# Altium PCB GSHT_V1.4_PCB.PcbDoc (part 2 of 2) (continued)
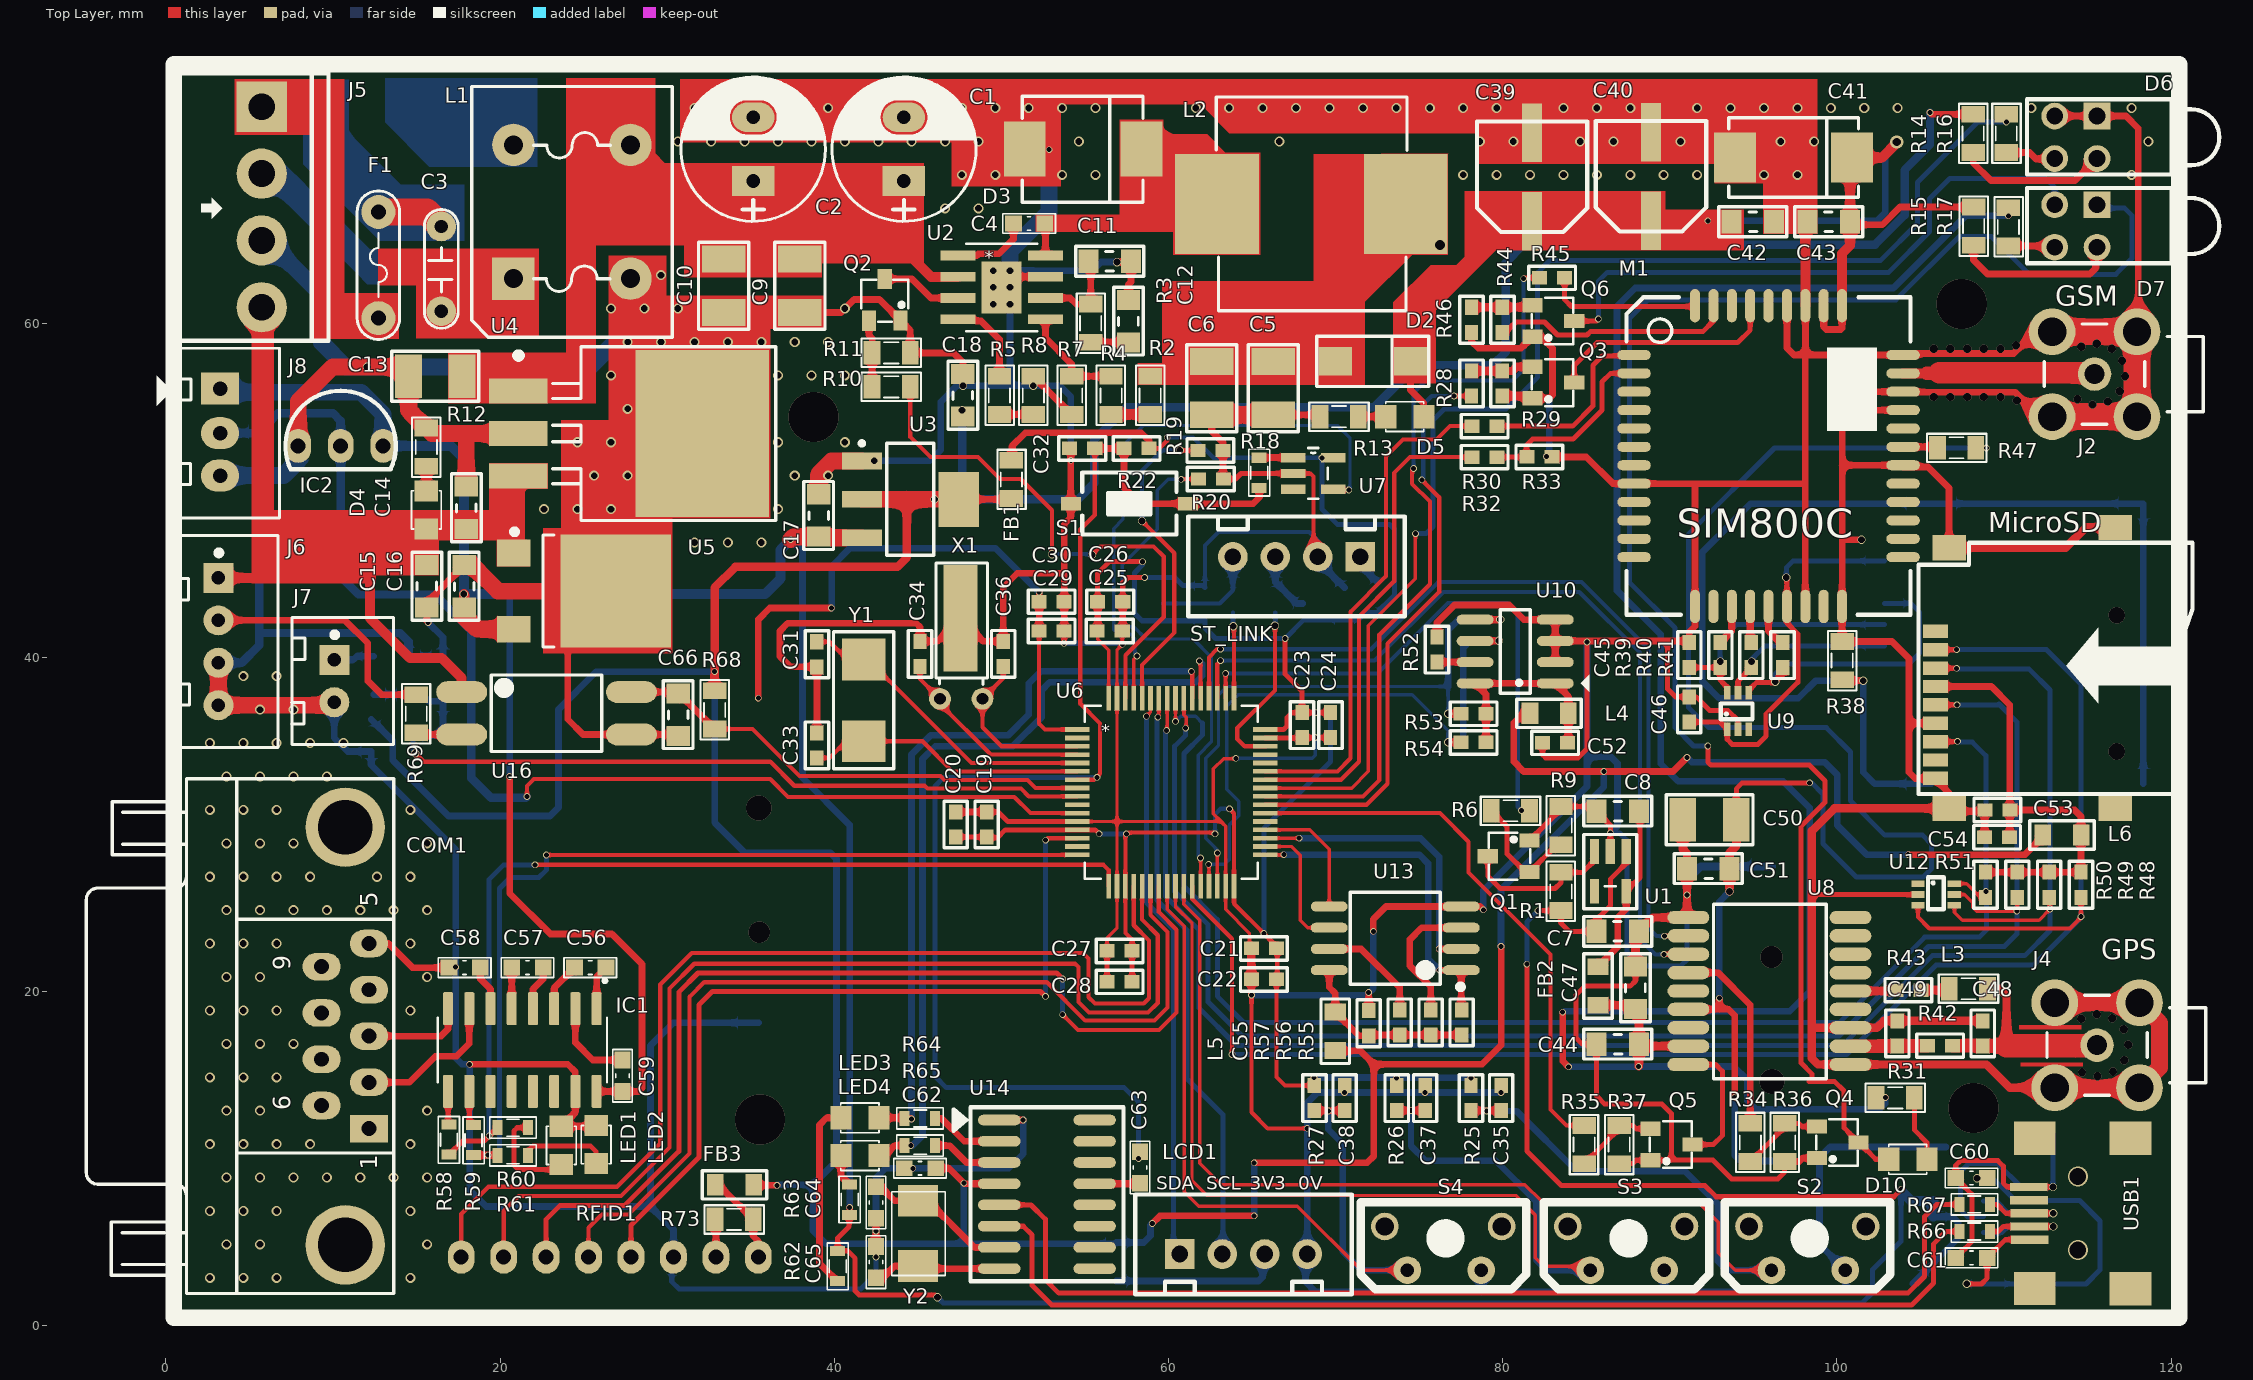
[diagram p0: Top Layer view]
## Nets (pads, with @x,y where several pads share a name; then routed paths per layer and width w, separated by ;. In a path a pad name is that pad's centre, name@x,y a point inside that pad or via, vN(x,y) a via of type N, cw(c..) or ccw(c..) an arc to the next point about the centre after c; other vN are vias at no path point) (continued)
  Bottom Layer w0.2: v2(60.757,50.648) 59.995,50.648 59.334,49.987 59.334,47.65 57.226,45.542 57.226,42.139 57.534,41.831 57.922,41.831 58.656,41.097 61.493,41.097 62.574,40.016 62.574,34.942 61.781,34.148 61.781,28.133 v2(61.923,27.991)
MCU_RESET: C32.1 C63.2 R18.2 R22.1 S1.1 U6.7 | length 78.7
  Top Layer w0.25: U6.7@54.546,32.678 55.55,32.678 v2@55.689,32.817 ; C32.1@55.589,52.502 55.589,48.512 54.721,47.645 54.721,37.227 55.905,36.043 55.905,33.033 v2@55.689,32.817 ; v2(55.728,32.817) v2@55.689,32.817
  Top Layer w0.4: C32.1@55.589,52.502 R22.1@57.341,52.502 57.341,50.152 58.293,49.2 S1.1@61.158,49.2 65.075,49.2 65.431,49.556 R18.2@65.431,50.127
  Bottom Layer w0.3: v2(55.728,32.817) 46.558,32.817 46.025,32.283 46.025,14.935 46.711,14.249 57.353,14.249 58.217,13.386 v2(58.217,10.008) v2@58.217,9.957
MCU_TCK: R24.2 U6.49 | length 5.2
  Top Layer w0.25: v3(63.881,41.859) 63.923,41.859 U6.49@63.923,37.554
  Bottom Layer w0.25: R24.2@63.855,42.685 63.855,41.885 v3(63.881,41.859)
MCU_TMS: R23.2 U6.46 | length 10.4
  Top Layer w0.25: U6.46@65.799,34.678 64.56,34.678 64.117,35.121 64.117,35.77 66.37,38.024 v3(66.37,41.885)
  Bottom Layer w0.25: v3(66.37,41.885) 66.395,41.91 R23.2@66.395,42.685
MCU_WDI: U6.61 U7.4 | length 34.9
  Top Layer w0.2: U6.61@57.923,37.554 57.923,39.889 v2(58.115,40.081) ; U7.4@69.85,50.053 69.891,50.013 v2(70.79,50.013)
  Bottom Layer w0.2: v2(58.115,40.081) 57.988,40.208 57.988,41.123 57.734,41.377 56.998,41.377 56.718,41.656 56.718,47.701 57.277,48.26 57.277,52.654 58.496,53.873 70.104,53.873 70.866,53.111 70.866,50.089 v2(70.79,50.013)
NetC3_2: C3.2 D1.1 F1.2 | length 10.4
  Top Layer w1.6: F1.2@12.725,66.65 15.621,66.65 C3.2@16.485,65.786
  Bottom Layer w1.6: D1.1@9.518,71.653 12.725,68.446 F1.2@12.725,66.65
NetC4_1: C4.1 U2.1 | length 4.7
  Top Layer w0.4: U2.1@47.404,64.043 48.534,64.043 48.633,64.142 49.842,64.142 50.724,65.024 C4.1@50.724,65.964
NetC4_2: C4.2 D3.2 L2.1 U2.8 | length 19.3
  Top Layer w0.4: C4.2@52.603,65.964 C4.2@52.73,65.964 ; U2.8@52.637,64.043 52.637,65.87 C4.2@52.73,65.964 ; D3.2@58.395,70.409 58.395,67.513 56.845,65.964 C4.2@52.73,65.964
  Top Layer w1.6: D3.2@58.395,70.409 62.027,70.409 63.032,69.404 L2.1@63.032,66.472
NetC11_2: C11.2 R3.2 U2.6 | length 5.5
  Top Layer w0.4: U2.6@52.637,61.503 54.118,61.503 54.483,61.138 R3.2@55.347,61.138 55.347,63.576 C11.2@55.22,63.703
NetC12_2: C12.2 R3.1 | length 2.3
  Top Layer w0.4: R3.1@55.347,58.852 C12.2@57.607,58.852
NetC48_2: C48.2 J4.1 L3.1 R42.1 | length 13
  Top Layer w0.5: L3.1@109.017,20.168 109.728,20.168 110.148,19.748 110.148,16.751
  Top Layer w0.8: R42.1@106.921,16.764 108.714,16.764 C48.2@108.727,16.751 109.576,16.751
  Top Layer w1: 109.576,16.751 110.148,16.751
  Top Layer w1.4: 110.148,16.751 115.531,16.751 J4.1@115.57,16.789
NetC49_2: C49.2 R42.2 U8.11 | length 4.6
  Top Layer w0.8: U8.11@100.813,16.733 103.601,16.733 C49.2@103.618,16.751 105.408,16.751 R42.2@105.421,16.764
NetC56_1: C56.1 IC1.1 | length 2.7
  Top Layer w0.4: IC1.1@25.781,18.974 25.781,20.872 C56.1@26.34,21.431
NetC56_2: C56.2 IC1.3 | length 3
  Top Layer w0.4: IC1.3@23.241,18.974 23.241,20.212 C56.2@24.46,21.431
NetC57_1: C57.1 IC1.5 | length 2.5
  Top Layer w0.4: IC1.5@20.701,18.974 C57.1@20.701,21.431
NetC57_2: C57.2 IC1.4 | length 2.7
  Top Layer w0.4: IC1.4@21.971,18.974 21.971,20.142 22.581,20.752 C57.2@22.581,21.431
NetC58_1: C58.1 IC1.6 | length 2.7
  Top Layer w0.4: C58.1@18.821,21.431 18.821,20.752 19.431,20.142 IC1.6@19.431,18.974
NetC59_1: C59.1 IC1.2 | length 5.3
  Top Layer w0.4: IC1.2@24.511,18.974 24.511,16.942 25.552,15.9 C59.1@27.33,15.9
NetC63_1: C63.1 U14.13 | length 2.7
  Top Layer w0.4: U14.13@55.585,8.502 58.261,8.502 C63.1@58.293,8.534
NetC64_1: C64.1 U14.7 Y2.1 | length 8.9
  Top Layer w0.4: C64.1@42.495,8.317 42.787,8.317 43.622,7.483 Y2.1@45.009,7.483 45.603,7.483 48.394,4.692 U14.7@49.877,4.692
NetC65_1: C65.1 U14.8 Y2.2 | length 7.7
  Top Layer w0.4: C65.1@42.495,2.871 42.901,2.871 43.601,3.571 Y2.2@45.009,3.571 45.158,3.422 U14.8@49.877,3.422
NetCOM1_2: COM1.2 IC1.7 | length 9
  Top Layer w0.4: COM1.2@12.162,14.565 14.565,14.565 16.129,16.129 17.399,16.129 18.161,16.891 IC1.7@18.161,18.974
NetCOM1_3: COM1.3 IC1.8 | length 6.1
  Top Layer w0.4: COM1.3@12.162,17.335 16.471,17.335 16.891,17.755 IC1.8@16.891,18.974
NetD1_2: D1.2 L1.4 | length 4.7
  Bottom Layer w1: D1.2@16.51,71.653 19.811,71.653 L1.4@20.803,70.662
NetD4_2: D4.2 R12.2 | length 1.5
  Top Layer w0.5: D4.2@15.596,49.962 R12.2@15.596,51.435
NetD5_2: D5.2 R13.2 | length 1.7
  Top Layer w0.4: R13.2@71.349,54.407 D5.2@73,54.407
NetD6_2: D6.2 R14.1 | length 9
  Top Layer w0.4: R14.1@108.153,70.206 108.153,69.596 109.22,68.529 114.249,68.529 D6.2@115.57,69.85
NetD6_4: D6.4 R16.1 | length 3.1
  Top Layer w0.4: R16.1@110.134,70.206 111.531,70.206 111.912,69.825 113.005,69.825 D6.4@113.03,69.85
NetD7_2: D7.2 R15.1 | length 10
  Top Layer w0.4: R15.1@108.179,64.658 108.179,63.779 109.017,62.941 115.138,62.941 115.494,63.297 115.494,64.465 D7.2@115.57,64.541
NetD7_4: D7.4 R17.1 | length 2.8
  Top Layer w0.4: R17.1@110.261,64.618 112.954,64.618 D7.4@113.03,64.541
NetD8_3: D8.3 R23.1 ST_LINK.3 | length 3.7
  Bottom Layer w0.4: ST_LINK.3@66.396,46.012 R23.1@66.396,44.501 67.671,43.226 D8.3@68.036,43.226
NetD9_3: D9.3 R24.1 ST_LINK.4 | length 6.5
  Bottom Layer w0.25: D9.3@59.685,43.226 63.069,43.226 63.856,44.012 R24.1@63.856,44.501
  Bottom Layer w0.4: R24.1@63.856,44.501 ST_LINK.4@63.856,46.012
NetD10_1: D10.1 R31.1 | length 4
  Top Layer w0.3: R31.1@104.631,13.64 104.631,11.723 105.385,10.969 D10.1@105.385,9.957
NetIC1_9: IC1.9 R58.2 | length 2
  Top Layer w0.3: IC1.9@16.891,14.024 16.891,12.103 R58.2@16.942,12.052
NetIC1_10: IC1.10 R59.2 | length 2.1
  Top Layer w0.3: IC1.10@18.161,14.024 18.161,12.28 R59.2@18.415,12.027
NetJ1_1: R21.1 ST_LINK.1 | length 1.9
  Bottom Layer w0.4: ST_LINK.1@71.476,46.012 71.476,45.517 R21.1@72.492,44.501
NetJ3_7: J3.7 R38.1 | length 73.7
  Top Layer w0.4: R38.1@100.31,38.659 100.361,38.608 v3(101.575,38.608)
  Bottom Layer w0.4: J3.7@105.639,32.436 102.26,32.436 101.575,33.122 v3(101.575,38.608) 98.742,38.608 97.688,37.554 92.951,37.554 91.948,38.557 91.948,46.304 94.844,49.2 J3.7@105.639,49.2 J3.7@118.339,49.2 J3.7@118.339,32.436
NetL3_2: L3.2 R43.1 | length 1.7
  Top Layer w0.5: R43.1@105.028,20.082 106.645,20.082 L3.2@106.731,20.168
NetLED1_1: LED1.1 R60.1 | length 6.2
  Top Layer w0.3: R60.1@21.666,11.856 21.025,11.856 20.828,11.659 20.828,9.627 21.111,9.344 23.365,9.344 LED1.1@23.673,9.652
  Top Layer w0.4: LED1.1@23.673,9.652 LED1.1@23.673,9.849
NetLED2_1: LED2.1 R61.1 | length 5.3
  Top Layer w0.3: R61.1@21.666,10.198 21.666,10.455 21.98,10.77 25.4,10.77 25.756,10.414 LED2.1@25.756,9.703
NetLED3_1: LED3.1 R62.1 | length 11.1
  Top Layer w0.4: R62.1@40.107,2.743 39.116,3.734 39.116,12.014 39.548,12.446 LED3.1@40.398,12.446
NetLED4_1: LED4.1 R63.1 | length 2
  Top Layer w0.4: LED4.1@40.398,10.185 40.398,8.967 R63.1@40.919,8.445
NetM1_15: M1.15 R39.2 | length 2.4
  Top Layer w0.4: R39.2@93.025,40.883 93.71,41.568 M1.15@93.71,43.045
NetM1_16: M1.16 R40.2 | length 2.2
  Top Layer w0.4: M1.16@94.81,43.045 94.81,40.952 R40.2@94.879,40.883
NetM1_17: M1.17 R41.2 | length 2.6
  Top Layer w0.4: M1.17@95.91,43.045 95.91,41.58 96.607,40.883 R41.2@96.749,40.883
NetQ1_2: Q1.2 R1.1 U1.3 | length 9.5
  Top Layer w0.3: Q1.2@79.107,28.102 79.107,26.913 79.858,26.162 83.134,26.162 83.49,26.518 R1.1@83.49,27.137 84.795,27.137 85.49,27.832 U1.3@85.49,28.382
NetQ1_3: Q1.3 R6.1 R9.2 | length 7.3
  Top Layer w0.3: R6.1@79.324,30.82 80.264,29.88 80.264,28.246 81.358,27.152 Q1.3@81.607,27.152 83.243,28.788 R9.2@83.49,28.788
NetQ2_2: Q2.2 U2.3 | length 4.8
  Top Layer w0.4: Q2.2@43.028,62.642 44.648,62.642 45.787,61.503 U2.3@47.404,61.503
NetQ2_3: Q2.3 R10.2 R11.2 | length 4
  Top Layer w0.4: Q2.3@42.078,60.142 42.078,59.284 42.266,59.096 R11.2@42.266,58.217 R10.2@42.266,56.185
NetQ3_3: Q3.3 R28.2 R29.2 | length 3.8
  Top Layer w0.5: R28.2@78.13,57.139 R29.2@79.985,57.139 80.583,57.139 80.833,57.389 Q3.3@81.783,57.389
NetQ4_3: Q4.3 R34.2 R36.2 | length 5.1
  Top Layer w0.3: R34.2@94.818,9.83 96.876,11.887 R36.2@96.876,12.116 97.714,12.116 97.907,11.923 Q4.3@98.801,11.923
NetQ5_3: Q5.3 R35.2 R37.2 | length 5.1
  Top Layer w0.3: R35.2@84.878,9.703 86.97,11.795 R37.2@86.97,11.989 87.782,11.989 87.975,11.796 Q5.3@88.853,11.796
NetQ6_3: Q6.3 R44.2 R46.2 | length 3.7
  Top Layer w0.5: R46.2@78.13,60.949 R44.2@79.985,60.949 81.66,60.949 Q6.3@81.783,61.072
NetR2_1: R2.1 R4.2 | length 2.3
  Top Layer w0.6: R4.2@56.566,54.534 R2.1@58.903,54.534
NetR5_1: R5.1 R8.2 | length 2
  Top Layer w0.4: R5.1@49.886,54.534 R8.2@51.918,54.534
NetR5_2: R5.2 U2.4 | length 5.2
  Top Layer w0.4: U2.4@47.404,60.233 47.404,60.134 48.781,60.134 49.886,59.03 R5.2@49.886,56.82
NetR18_1: R18.1 U7.1 | length 2
  Top Layer w0.4: R18.1@65.43,51.943 65.441,51.953 U7.1@67.462,51.953
NetR43_2: R43.2 U8.14 | length 2.7
  Top Layer w0.5: U8.14@100.813,20.033 103.479,20.033 R43.2@103.528,20.082
NetR52_1: R52.1 U10.7 | length 2.3
  Top Layer w0.4: R52.1@76.073,39.713 U10.7@78.347,39.713
NetR56_1: R56.1 U13.3 | length 8.1
  Top Layer w0.4: R56.1@75.692,18.904 75.692,20.295 74.447,21.539 74.447,23.114 75.153,23.819 U13.3@77.521,23.819
NetR57_1: R57.1 U13.7 | length 6.5
  Top Layer w0.4: U13.7@69.621,22.549 71.532,22.549 73.838,20.244 R57.1@73.838,18.904
NetR64_1: R64.1 U14.2 | length 4.4
  Top Layer w0.4: R64.1@46.025,12.405 46.414,12.405 47.778,11.042 U14.2@49.877,11.042
NetR65_1: R65.1 U14.3 | length 4.3
  Top Layer w0.4: R65.1@46.025,10.781 46.902,10.781 47.911,9.772 U14.3@49.877,9.772
NetR69_2: R69.2 U16.2 | length 2.8
  Top Layer w0.4: R69.2@14.989,35.484 15.091,35.382 U16.2@17.704,35.382
NetR73_1: R73.1 RFID1.7 | length 2.4
  Top Layer w0.4: R73.1@32.868,6.371 32.918,6.32 RFID1.7@32.918,3.988
NPN_IN: J6.2 R69.1 | length 15
  Top Layer w0.4: J6.2@3.15,42.215 10.719,42.215 12.09,40.843 12.09,38.583 12.903,37.77 R69.1@14.989,37.77
OS32_IN: C36.1 U6.3 X1.1 | length 10.3
  Top Layer w0.25: C36.1@50.114,39.458 50.114,38.76 X1.1@48.87,37.516 48.87,35.814 50.006,34.678 U6.3@54.546,34.678
OS32_OUT: C34.1 U6.4 X1.2 | length 12.2
  Top Layer w0.25: C34.1@45.136,39.458 45.136,38.71 X1.2@46.33,37.516 46.33,37.211 49.363,34.178 U6.4@54.546,34.178
OSC_IN: C31.1 U6.5 Y1.2 | length 18.6
  Top Layer w0.25: C31.1@38.964,40.933 39.712,40.933 40.769,39.876 Y1.2@41.758,39.876 42.014,39.876 48.212,33.678 U6.5@54.546,33.678
OSC_OUT: C33.1 U6.6 Y1.1 | length 16.7
  Top Layer w0.25: C33.1@38.964,33.984 39.724,33.984 40.716,34.976 Y1.1@41.758,34.976 45.288,34.976 47.086,33.178 U6.6@54.546,33.178
POWERKEY: M1.39 Q3.2 | length 13.9
  Top Layer w0.3: Q3.2@84.283,56.439 84.283,57.46 85.649,58.826 94.056,58.826 94.81,59.581 M1.39@94.81,61.045
RFID_IRQ: RFID1.5 U6.14 | length 49.4
  Top Layer w0.25: v2(52.654,29.058) 52.774,29.178 U6.14@54.546,29.178
  Top Layer w0.3: RFID1.5@27.838,3.988 27.838,6.014 31.898,10.073 31.898,19.198 32.704,20.004 52.343,20.004 v2(52.637,19.71)
  Bottom Layer w0.3: v2(52.637,19.71) 52.637,29.04 v2(52.654,29.058)
RFID_MISO: RFID1.4 U6.22 | length 57.1
  Top Layer w0.25: RFID1.4@25.298,3.988 25.298,5.868 26.086,6.655 27.697,6.655 31.344,10.302 31.344,19.685 32.217,20.558 52.721,20.558 55.016,18.263 59.157,18.263 59.944,19.05 59.944,23.571 58.923,24.593 U6.22@58.923,26.302
RFID_MOSI: RFID1.3 U6.23 | length 62.9
  Top Layer w0.25: v2(53.67,18.618) 54.585,17.704 59.432,17.704 60.477,18.749 60.477,23.698 59.423,24.753 U6.23@59.423,26.302
  Top Layer w0.3: RFID1.3@22.758,3.988 22.758,6.371 23.597,7.209 27.467,7.209 30.699,10.441 30.699,19.959 31.852,21.112 53.31,21.112 v2(53.67,20.752)
  Bottom Layer w0.3: v2(53.67,18.618) v2(53.67,20.752)
RFID_SCK: RFID1.2 U6.21 | length 63.8
  Top Layer w0.25: RFID1.2@20.218,3.988 20.218,6.858 21.124,7.763 27.238,7.763 30.145,10.671 30.145,20.188 31.623,21.666 47.981,21.666 54.407,21.666 54.61,21.463 54.61,19.38 55.245,18.745 58.783,18.745 59.36,19.322 59.36,23.368 58.423,24.305 U6.21@58.423,26.302
RFID_SS: RFID1.1 U6.20 | length 65.7
  Top Layer w0.25: RFID1.1@17.678,3.988 17.678,6.692 19.304,8.317 27.008,8.317 29.591,10.9 29.591,20.422 31.471,22.301 54.889,22.301 55.22,21.971 55.22,19.66 55.601,19.279 58.522,19.279 58.841,19.598 58.841,23.049 57.923,23.967 U6.20@57.923,26.302
ROM_SCL: R54.2 U6.29 U10.6 | length 38.4
  Top Layer w0.2: v2(62.408,27.61) 62.423,27.61 U6.29@62.423,26.302
  Top Layer w0.4: v3(76.733,34.911) R54.2@77.507,34.911 ; U10.6@78.347,40.983 79.769,40.983 v3(79.781,40.996)
  Bottom Layer w0.2: v2(62.408,27.61) 63.348,27.61 63.652,27.915 63.652,29.972 64.206,30.526 64.206,31.374 63.479,32.101 63.479,37.063 64.182,37.766 74.578,37.766 76.733,35.611 v3(76.733,34.911)
  Bottom Layer w0.4: v3(76.733,34.911) 77.329,34.911 77.648,35.23 77.648,40.589 78.054,40.996 v3(79.781,40.996)
ROM_SDA: R53.2 U6.30 U10.5 | length 36.5
  Top Layer w0.2: U6.30@62.923,26.302 v2(62.923,28.296)
  Top Layer w0.4: v3(76.733,36.627) 76.736,36.625 R53.2@77.507,36.625 ; U10.5@78.347,42.253 79.834,42.253 v3(79.847,42.266)
  Bottom Layer w0.2: v2@62.923,28.473 62.235,29.161 62.235,33.965 62.992,34.722 62.992,37.744 63.5,38.252 76.733,38.252 v3(76.733,36.627)
  Bottom Layer w0.4: 76.733,38.252 76.733,41.631 77.368,42.266 v3(79.847,42.266)
RS232_RX: R58.1 R60.2 U6.17 | length 57.5
  Top Layer w0.25: v2(22.098,27.584) 56.109,27.584 56.423,27.27 U6.17@56.423,26.302
  Top Layer w0.3: R58.1@16.942,10.236 17.755,11.049 19.044,11.049 v2(19.349,11.354) R60.2@19.85,11.856
  Bottom Layer w0.3: v2(19.349,11.354) 19.349,26.715 20.218,27.584 v2(22.098,27.584)
RS232_TX: R59.1 R61.2 U6.16 | length 53.9
  Top Layer w0.25: v2(22.768,28.169) 23.266,28.169 23.276,28.178 U6.16@54.546,28.178
  Top Layer w0.4: R59.1@18.415,10.211 v2(19.279,10.211) 19.838,10.211 R61.2@19.85,10.198
  Bottom Layer w0.3: v2(19.279,10.211) 19.685,10.211 19.964,10.49 19.964,26.162 20.625,26.822 22.327,26.822 22.768,27.263 v2(22.768,28.169)
SDCARD_CLK: MicroSD.5 R50.1 U6.55 U12.5 | length 93.9
  Top Layer w0.2: U6.55@60.923,37.554 60.923,36.563 61.062,36.424 61.062,35.798 v2(61.027,35.763) ; U12.5@107.031,25.806 107.645,25.806 108.136,25.316 108.136,25.045 108.39,24.79 110.566,24.79 ; 110.795,25.019 R50.1@110.795,25.641
  Top Layer w0.3: MicroSD.5@105.908,37.154 107.182,37.154 v2(107.188,37.16)
  Bottom Layer w0.3: v2(61.027,35.763) 61.027,35.33 60.376,34.68 60.376,25.996 62.373,23.999 62.373,19.38 64.414,17.339 100.121,17.339 105.481,22.698 110.023,22.698 110.769,23.444 v2(110.769,24.816) 110.769,36.144 109.703,37.211 109.652,37.16 v2(107.188,37.16)
SDCARD_CMD: MicroSD.3 R49.1 U6.57 U12.4 | length 103.3
  Top Layer w0.2: v2(59.894,35.636) 59.869,35.661 59.923,35.715 U6.57@59.923,37.554 ; U12.4@107.031,25.156 107.031,24.745 107.513,24.262 112.095,24.262 112.751,24.917 v2(112.751,24.943) 112.751,25.591 R49.1@112.7,25.641
  Top Layer w0.3: MicroSD.3@105.908,39.354 107.153,39.354 v2(107.163,39.345)
  Bottom Layer w0.3: v2(59.894,35.636) 59.819,35.636 59.819,25.703 61.819,23.703 61.819,19.025 64.009,16.835 64.055,16.835 64.105,16.785 100.351,16.785 105.71,22.144 111.237,22.144 112.751,23.657 v2(112.751,24.943) 112.751,38.049 111.506,39.294 107.213,39.294 v2(107.163,39.345)
SDCARD_CS: MicroSD.2 R48.1 U6.27 U12.3 | length 101
  Top Layer w0.25: U6.27@61.423,26.302 61.423,25.541 63.805,23.159 v2(63.805,16.231) ; U12.3@104.851,25.156 104.851,24.46 105.529,23.783 113.953,23.783 114.605,24.435 v2(114.605,24.486) R48.1@114.605,25.641
  Top Layer w0.3: MicroSD.2@105.908,40.454 107.155,40.454 v2(107.163,40.462)
  Bottom Layer w0.3: v2(63.805,16.231) 100.58,16.231 105.939,21.59 111.785,21.59 114.605,24.409 v2(114.605,24.486) 114.605,38.405 112.547,40.462 v2(107.163,40.462)
SDCARD_DO: MicroSD.7 R51.1 U6.56 U12.6 | length 86.1
  Top Layer w0.2: v2(60.423,36.17) U6.56@60.423,37.554 ; U12.6@107.031,26.456 107.757,26.456 108.572,25.641 R51.1@108.89,25.641
  Top Layer w0.3: MicroSD.7@105.908,34.954 107.192,34.954 v2(107.213,34.976) ; R51.1@108.763,25.514 R51.1@108.89,25.641
  Bottom Layer w0.2: v2(60.423,36.17) 60.727,36.474 61.62,36.474 62.027,36.068 62.027,36.059
  Bottom Layer w0.3: 62.027,36.059 62.027,35.34 60.93,34.243 60.93,26.302 62.927,24.305 62.927,19.725 64.516,18.136 100.135,18.136 105.251,23.252 108.52,23.252 108.941,23.673 108.941,25.959 v2(108.915,25.984) 108.915,34.112 108.102,34.925 107.264,34.925 v2(107.213,34.976)
SIM_CLK: J3.6 R40.1 U9.5 | length 10.3
  Top Layer w0.3: U9.5@94.082,37.877 94.082,38.585 R40.1@94.879,39.383
  Bottom Layer w0.3: v3(94.894,39.751) 94.894,39.878 95.707,40.691 J3.6@102.845,40.691
SIM_DATA: C45.1 J3.5 R39.1 U9.6 | length 15
  Top Layer w0.3: C45.1@91.171,39.388 93.02,39.388 R39.1@93.025,39.383 93.025,38.623 93.432,38.217 U9.6@93.432,37.877
  Bottom Layer w0.3: v3(93.015,39.751) 93.015,40.996 93.98,41.961 J3.5@102.845,41.961
SIM_RST: J3.4 R41.1 U9.4 | length 17.3
  Top Layer w0.3: U9.4@94.732,37.877 94.732,38.039 95.175,38.482 v3@96.241,38.482 ; v3@96.304,38.544 96.749,38.989 R41.1@96.749,39.383
  Bottom Layer w0.3: v3(96.317,38.532) 96.317,39.014 96.901,39.599 104.292,39.599 104.953,40.259 104.953,42.697 104.419,43.231 J3.4@102.845,43.231
SIM_VCC: C46.1 J3.2 M1.18 U9.1 | length 21.9
  Top Layer w0.3: C46.1@91.161,36.134 92.995,36.134 U9.1@93.432,35.698 93.432,35.092 93.726,34.798 95.275,34.798 95.758,35.281 95.758,36.601 97.663,38.506 97.663,41.402 M1.18@97.01,42.055 ; v3(96.977,44.78) 97.01,44.747 M1.18@97.01,43.045 M1.18@97.051,43.045
  Bottom Layer w0.3: v3(96.977,44.78) 96.977,45.364 97.384,45.771 J3.2@102.845,45.771
STATUS: M1.42 R45.1 | length 9.3
  Top Layer w0.3: R45.1@83.706,62.713 83.706,61.405 84.116,60.994 M1.42@91.51,60.994
UART1_RXD: M1.2 R32.2 R33.2 | length 11.7
  Top Layer w0.3: R32.2@79.669,51.98 81.43,51.98 81.43,52.693 81.797,53.061 84.214,53.061 85.949,54.795 85.949,56.485 86.459,56.995 M1.2@87.86,56.995
UART1_TXD: M1.1 R30.2 | length 10.9
  Top Layer w0.3: R30.2@79.669,53.835 84.188,53.835 85.395,55.042 85.395,57.466 85.973,58.044 M1.1@87.429,58.044
USART5_RX: LED3.2 R64.2 U6.54 | length 45.3
  Top Layer w0.25: v2(61.366,39.167) 61.423,39.111 U6.54@61.423,37.554
  Top Layer w0.4: LED3.2@42.684,12.446 44.168,12.446 R64.2@44.209,12.405 44.592,12.405 v2(44.628,12.37)
  Bottom Layer w0.4: v2(44.628,12.37) 44.628,34.188 45.771,35.331 50.399,35.331 51.638,36.571 51.638,38.43 52.375,39.167 v2(61.366,39.167)
USART5_TX: LED4.2 R65.2 U6.53 | length 48.6
  Top Layer w0.25: v2(61.849,39.776) 61.923,39.703 U6.53@61.923,37.554
  Top Layer w0.4: LED4.2@42.684,10.185 43.028,10.185 43.623,10.781 R65.2@44.209,10.781 v2(44.581,10.781)
  Bottom Layer w0.4: v2(44.581,10.781) 44.684,10.781 45.282,11.379 45.282,33.918 46.042,34.677 50.67,34.677 52.4,36.408 52.4,38.024 52.889,38.513 61.637,38.513 62.02,38.896 62.02,39.605 v2(61.849,39.776)
USB_D+: R67.2 U15.1 USB1.3 | length 8.5
  Top Layer w0.3: R67.2@109.157,7.263 109.577,7.263 110.109,6.731 USB1.3@111.506,6.731 v3(112.954,6.731)
  Bottom Layer w0.3: U15.1@108.766,7.478 109.515,7.478 110.261,6.731 v3(112.954,6.731)
USB_D-: R66.2 U15.3 USB1.2 | length 8.3
  Top Layer w0.3: R66.2@109.157,5.639 109.653,5.639 109.958,5.944 USB1.2@111.519,5.944 v3(112.954,5.944)
  Bottom Layer w0.3: U15.3@108.766,5.578 109.87,5.578 110.236,5.944 v3(112.954,5.944)
USER_B1: C38.1 R27.1 S4.1 U6.24 | length 48.9
  Top Layer w0.203: U6.24@59.923,26.302 59.923,24.93 60.956,23.897 60.956,8.03 61.824,7.163 67.716,7.163 71.552,3.327 S4.1@74.295,3.327
  Top Layer w0.4: R27.1@68.732,12.876 C38.1@70.543,12.876
  Bottom Layer w0.381: v2(69.571,12.852) 69.571,11.76 70.434,10.897 70.434,4.445 71.552,3.327 S4.1@74.295,3.327
USER_B2: C37.1 R26.1 S3.1 U6.25 | length 65.3
  Top Layer w0.203: U6.25@60.423,26.302 60.423,25.072 61.41,24.085 61.41,8.668 62.281,7.798 80.772,7.798 81.94,6.629 81.94,4.064 82.448,3.556 85.014,3.556 S3.1@85.242,3.327
  Top Layer w0.4: R26.1@73.66,12.876 v2(74.511,12.876) C37.1@75.362,12.876
  Bottom Layer w0.381: v2(74.511,12.876) 74.511,10.757 75.387,9.881 79.578,9.881 81.991,7.468 81.991,3.962 82.626,3.327 S3.1@85.242,3.327
USER_B3: C35.1 R25.1 S2.1 U6.26 | length 79.7
  Top Layer w0.203: U6.26@60.923,26.302 60.923,25.215 61.864,24.273 61.864,9.728 63.147,8.445 81.333,8.445 82.296,7.483 91.607,7.483 92.888,6.202 92.888,4.369 93.929,3.327 S2.1@96.088,3.327
  Top Layer w0.4: R25.1@78.105,12.877 C35.1@79.908,12.876
  Bottom Layer w0.381: v2(79.045,12.852) 80.823,12.852 84.43,9.246 90.907,9.246 92.862,7.29 92.862,3.861 93.396,3.327 S2.1@96.088,3.327
USER_LED: R16.2 U6.41 | length 76.4
  Top Layer w0.203: U6.41@65.799,32.178 70.958,32.178 71.958,33.178 71.958,41.885 74.778,44.704 v2(74.778,47.396)
  Bottom Layer w0.3: v2(74.778,47.396) 75.413,47.396 75.844,47.828 75.844,54.204 76.505,54.864 80.188,54.864 82.093,56.769 82.093,63.017 82.829,63.754 102.616,63.754 104.826,65.964 104.826,68.428 108.433,72.034 v2(110.134,72.034)
V_BCKP: BT2.1 C50.2 C51.2 R47.2 U8.6 | length 94.9
  Top Layer w0.3: C50.2@93.98,30.277 93.98,32.131 94.336,32.487 v2(98.374,32.487)
  Top Layer w0.4: U8.6@91.113,18.933 92.964,18.933 ; v2(92.964,19.609) 92.964,18.933 ; v2(93.878,13.665) 93.878,18.579 93.524,18.933 92.964,18.933
  Top Layer w0.5: v3(93.574,25.984) C51.2@93.574,27.356 93.574,28.32 93.98,28.726 C50.2@93.98,30.277
  Bottom Layer w0.3: v2(98.374,32.487) 98.501,32.487 99.162,31.826 99.162,28.854 101.168,26.848 105.156,26.848 105.664,27.356 105.664,28.829 105.131,29.362 102.87,29.362 100.813,31.42 100.813,34.341 99.365,35.789 92.329,35.789 91.11,37.008 91.11,47.371 96.27,52.531 v2(108.941,52.531)
  Bottom Layer w0.4: v2(92.964,19.609) 92.964,25.375 v3(93.574,25.984) ; v2(93.878,13.665) 93.878,10.211 94.234,9.855 BT2.1@96.114,9.855
VBAT: BT1.1 C29.2 C30.2 U6.1 | length 36.1
  Top Layer w0.25: C29.2@52.261,41.58 52.261,36.03 52.613,35.678 U6.1@54.546,35.678
  Top Layer w0.4: v2(35.458,37.554) 35.458,42.266 36.144,42.951 v2(39.827,42.951) ; C29.2@52.261,41.58 C30.2@52.261,43.332 v2(52.261,43.904)
  Bottom Layer w0.4: v2(39.827,42.951) 39.853,42.977 39.853,45.441 40.945,46.533 49.632,46.533 v2(52.261,43.904)
VIN_BAT: J7.1 R71.1 | length 2.5
  Bottom Layer w0.4: J7.1@10.084,39.853 11.227,39.853 11.441,40.067 R71.1@12.446,40.067
VRTC: M1.28 R47.1 | length 2.1
  Top Layer w0.4: M1.28@103.96,52.595 105.969,52.595 R47.1@106.02,52.544
pads on no net: COM1.1 COM1.4 COM1.6 COM1.7 COM1.8 COM1.9 COM1.10 COM1.11 IC1.11 IC1.12 IC1.13 IC1.14 J3.3 M1.3 M1.4 M1.5 M1.6 M1.7 M1.9 M1.10 M1.11 M1.12 M1.14 M1.20 M1.22 M1.23 M1.24 M1.25 M1.26 M1.29 M1.38 M1.40 MicroSD.1 MicroSD.8 S2.0 S3.0 S4.0 U1.4 U6.2 U6.10 U6.15 U6.37 U6.44 U6.45 U7.3 U8.5 U8.7 U8.13 U8.15 U8.16 U8.17 U8.18 U9.3 U12.1 U14.9 U14.10 U14.11 U14.12 U14.14 U14.15 U15.4 USB1.0 USB1.4 X1.3
copper on no net:
  other v5: 35.56,12.344 108.179,13.03 38.76,54.381 107.467,61.138
  other v6: 116.738,34.366 116.738,42.52
  other v7: 96.088,22.073 35.509,23.546
  other v8: 96.114,14.63 35.484,30.988
  other v9: 114.416,4.531 114.416,8.931

## Polygon pours and split planes (outlines as drawn)
GND on Top Layer "TOP GND" (solid, remove dead copper, shelved, pour order 8): 0.584,75.565 120.345,75.565 120.447,75.667 120.447,0.254 0.889,0.254 0.584,0.559
no net on Top Layer "GND" (solid, remove dead copper, shelved, pour order 4): 62.459,71.806
GND on Bottom Layer "BOT GND" (solid, remove dead copper, shelved, pour order 10): 0.559,75.717 0.914,75.362 120.269,75.362 120.269,0.432 0.33,0.432 0.33,75.26 0.559,75.489

## Keep-outs
Keep-Out Layer:
  the board outline again, w0.508

## Other copper
Top Layer:
  region net GND: 110.989,15.737 114.706,15.737 114.706,15.522 110.989,15.522
  region net GND: 110.912,17.969 114.63,17.969 114.63,17.755 110.912,17.755
  region net +4V_GSM: 73.457,56.388 73.457,61.234 75.697,63.475 77.216,63.475 77.724,63.983 77.724,67.894 89.738,67.894 89.738,66.777 94.437,66.777 94.437,64.364 89.535,64.364 79.578,64.364 75.997,60.782 75.997,56.388
  region net GND: 53.518,73.101 61.925,73.101 63.652,71.374 78.562,71.374 78.588,71.349 78.588,69.545 92.685,69.545 92.685,68.377 95.58,68.377 95.58,65.354 98.831,65.354 98.831,74.6 53.518,74.6
  region net +4V2: 76.733,70.155 76.708,70.129 76.708,64.084 74.574,64.084 71.755,61.265 71.755,56.312 60.858,56.312 58.191,56.312 58.166,56.286 58.166,57.607 59.639,57.607 59.639,62.509 68.707,62.509 68.707,70.114
  region net NetC4_2: 52.07,65.481 60.274,65.481 60.274,64.084 65.481,64.084 65.481,70.206 63.398,70.206 62.306,71.298 59.69,71.298 59.69,72.161 57.074,72.161 57.074,66.472 52.07,66.472
  region net GND: 30.785,74.6 30.785,70.815 47.041,70.815 47.041,68.199 53.569,68.199 53.569,74.6
  region net +12V: 19.349,51.613 22.86,51.613 22.86,50.089 21.488,50.089 21.488,47.015 21.793,47.015 21.793,45.441 19.812,45.441 19.812,47.015 16.332,47.015 16.332,44.907 12.573,44.907 12.573,44.425 5.156,44.425 5.156,59.538 6.452,59.538 6.452,48.793 19.349,48.793
  region net GND: 26.518,64.033 29.947,64.033 29.947,61.646 39.5,61.646 39.5,59.63 36.17,59.665 36.17,48.336 30.302,48.336 30.302,40.259 22.581,40.259 22.581,47.727 23.673,47.727 23.673,54.178 26.518,54.178 26.518,63.881
  region net +VIN: 16.967,57.988
  region net +VIN: 16.916,58.24 23.978,58.245 23.978,74.651 29.286,74.651 29.286,70.155 29.87,69.571 45.364,69.571 45.364,63.576 39.243,63.576 39.243,62.738 31.013,62.738 31.013,64.668 25.73,64.668 25.73,55.194 16.916,55.194
  region net GND_INPUT: 14.986,59.08 22.327,59.08 22.327,64.44 12.725,64.44 12.725,62.255 14.986,62.255
  region net +VDC_INPUT: 4.115,71.272 8.788,71.272 8.788,59.055 13.945,59.055 13.945,61.773 10.668,61.773 10.668,74.6 4.115,74.6
Bottom Layer:
  region net NetD1_2: 13.132,74.651 13.132,72.009 15.773,69.367 22.225,69.367 22.225,74.651
  region net NetC3_2: 10.947,74.574 10.947,71.399 14.072,68.275 17.872,68.275 17.872,64.922 12.802,64.922 8.23,69.494 8.23,74.574
  region net GND_INPUT: 11.455,64.414 22.174,64.414 22.25,64.414 22.25,59.817 15.291,59.817 15.291,62.332 12.065,62.332 11.455,62.941 11.455,64.364

## Silkscreen, mask and mechanical layers (free items; w line width, h text height)
Top Overlay:
  lines w1: 0.483,75.489 0.483,0.489 0.61,0.489 120.483,0.489 120.483,75.489 0.61,75.489
  text "GSM" at 113.055,61.036 h1.2
  text "GPS" at 115.824,21.92 h1.2
  text "SDA" at 59.284,8.128 h0.8
  text "SCL" at 62.255,8.128 h0.8
  text "3V3" at 64.872,8.128 h0.8
  text "0V" at 67.767,8.128 h0.8
Bottom Overlay:
  drawing of 1605 lines, arcs and shapes, not listed
  text "24V" at 1.702,71.323 h1 r270
  text "0V" at 1.702,67.767 h1 r270
  text "0V" at 1.702,64.008 h1 r270
  text "V_OUT" at 8.179,60.249 h1 r270
  text "12V" at 1.702,59.233 h1 r270
  text "V1.4" at 72.593,58.953 h2
  text "+" at 0.635,55.677 h2 r270
  text "--" at 0.737,50.292 h2 r270
  text "MicroSim" at 114.91,49.759 h1.2
  text "TCK" at 64.287,49.327 h1
  text "TMS" at 67.564,49.327 h1
  text "0V" at 70.307,49.327 h1
  text "3V3" at 74.193,49.327 h1
  text "DS18B20" at 13.716,49.225 h1
  text "NPN SENSOR" at 17.094,46.126 h1
  text "+" at 0.686,44.298 h2 r270
  text "--" at 0.813,37.617 h2 r270
  text "--BAT+" at 7.823,35.662 h1 r270

## Text inside footprints (layer, text, board x,y; h text height)
COM1: Top Overlay "6" at 7.44,12.89 h1.02 r90; Top Overlay "9" at 7.44,21.272 h1.02 r90; Top Overlay "5" at 12.647,25.082 h1.02 r90; Top Overlay "1" at 12.647,9.334 h1.02 r90
U2: Top Overlay "*" at 49.021,63.538 h0.79; Mechanical 1 "*" at 47.27,64.838 h0.79
U6: Top Overlay "*" at 55.973,35.228 h0.79; Mechanical 1 "*" at 55.499,35.928 h0.79